# Altium PCB BRD111107.PcbDoc
Units mil, origin at the board's own origin, x right, y up, seen from the top; angles counter-clockwise.
Board outline 2700 x 2100 mil, 2 copper layers (Top Layer, Bottom Layer), stack 65.792 mil thick; 36 components, 42 nets, 156 pads, 21 vias.
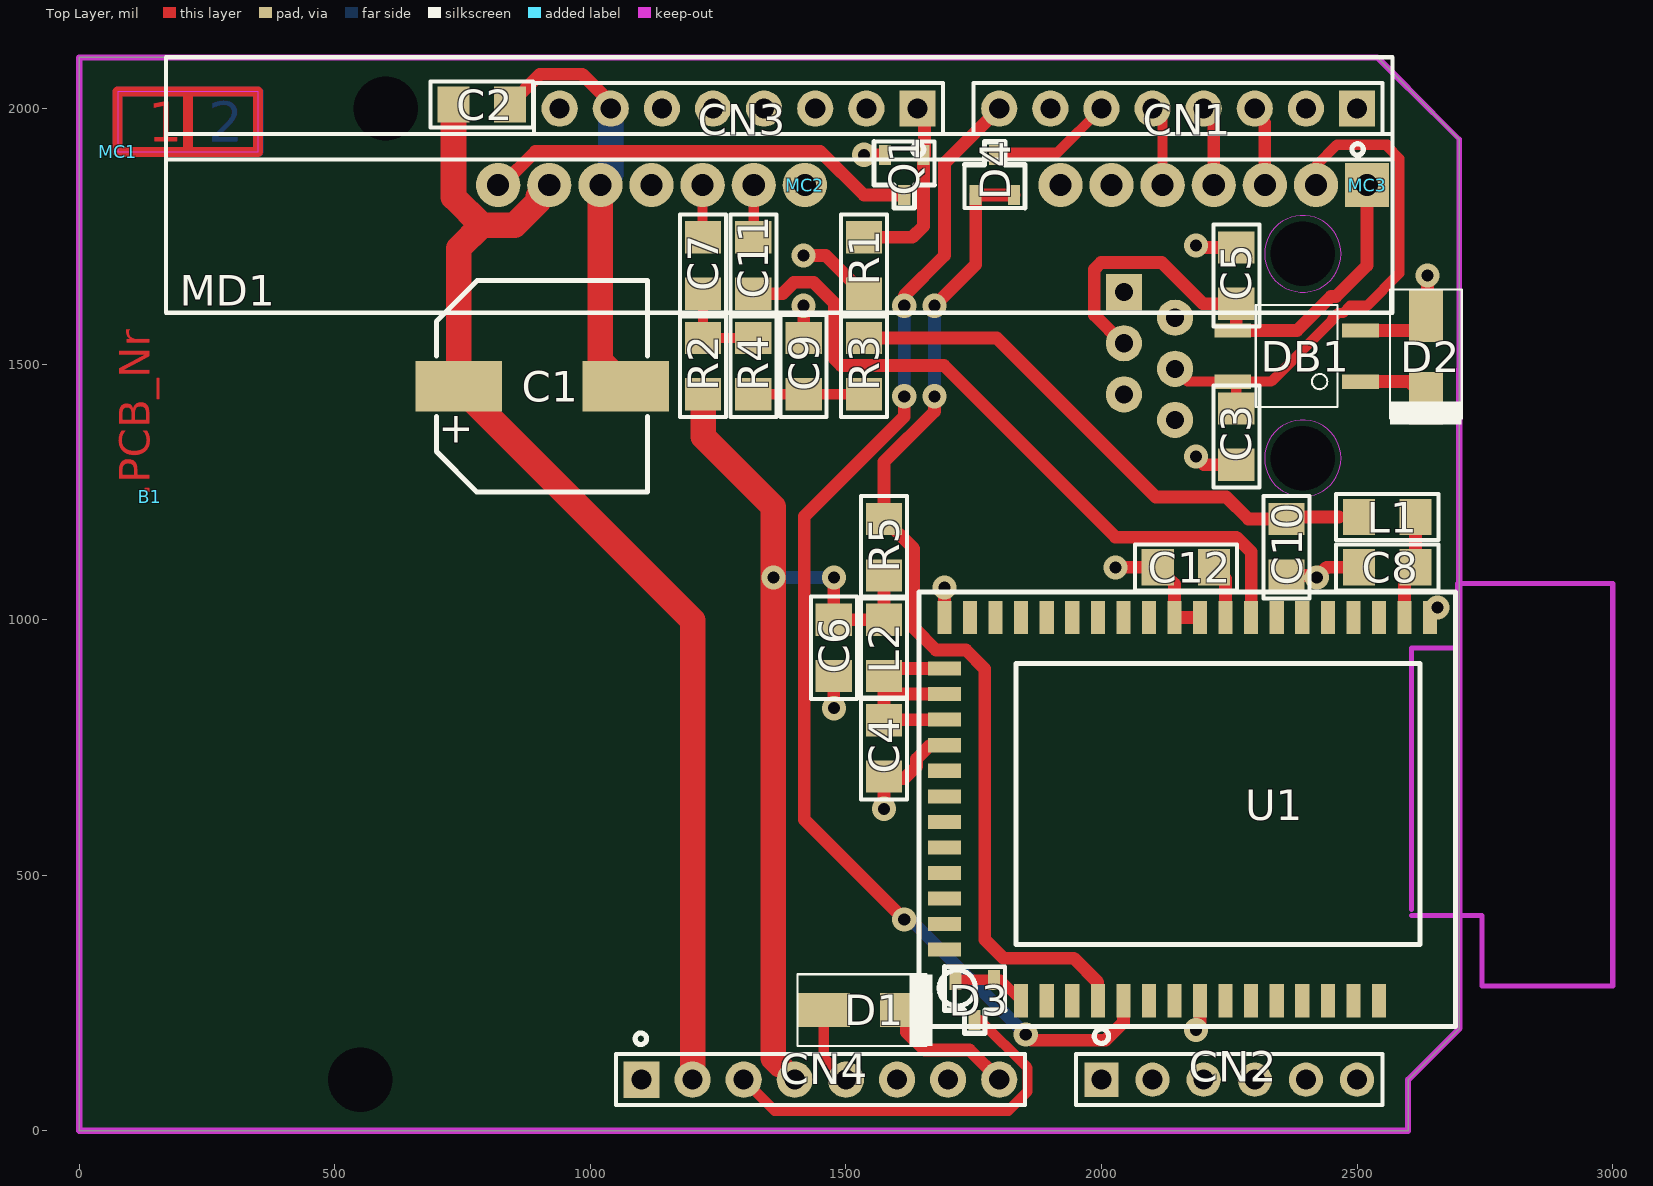
[diagram p0: Top Layer view]
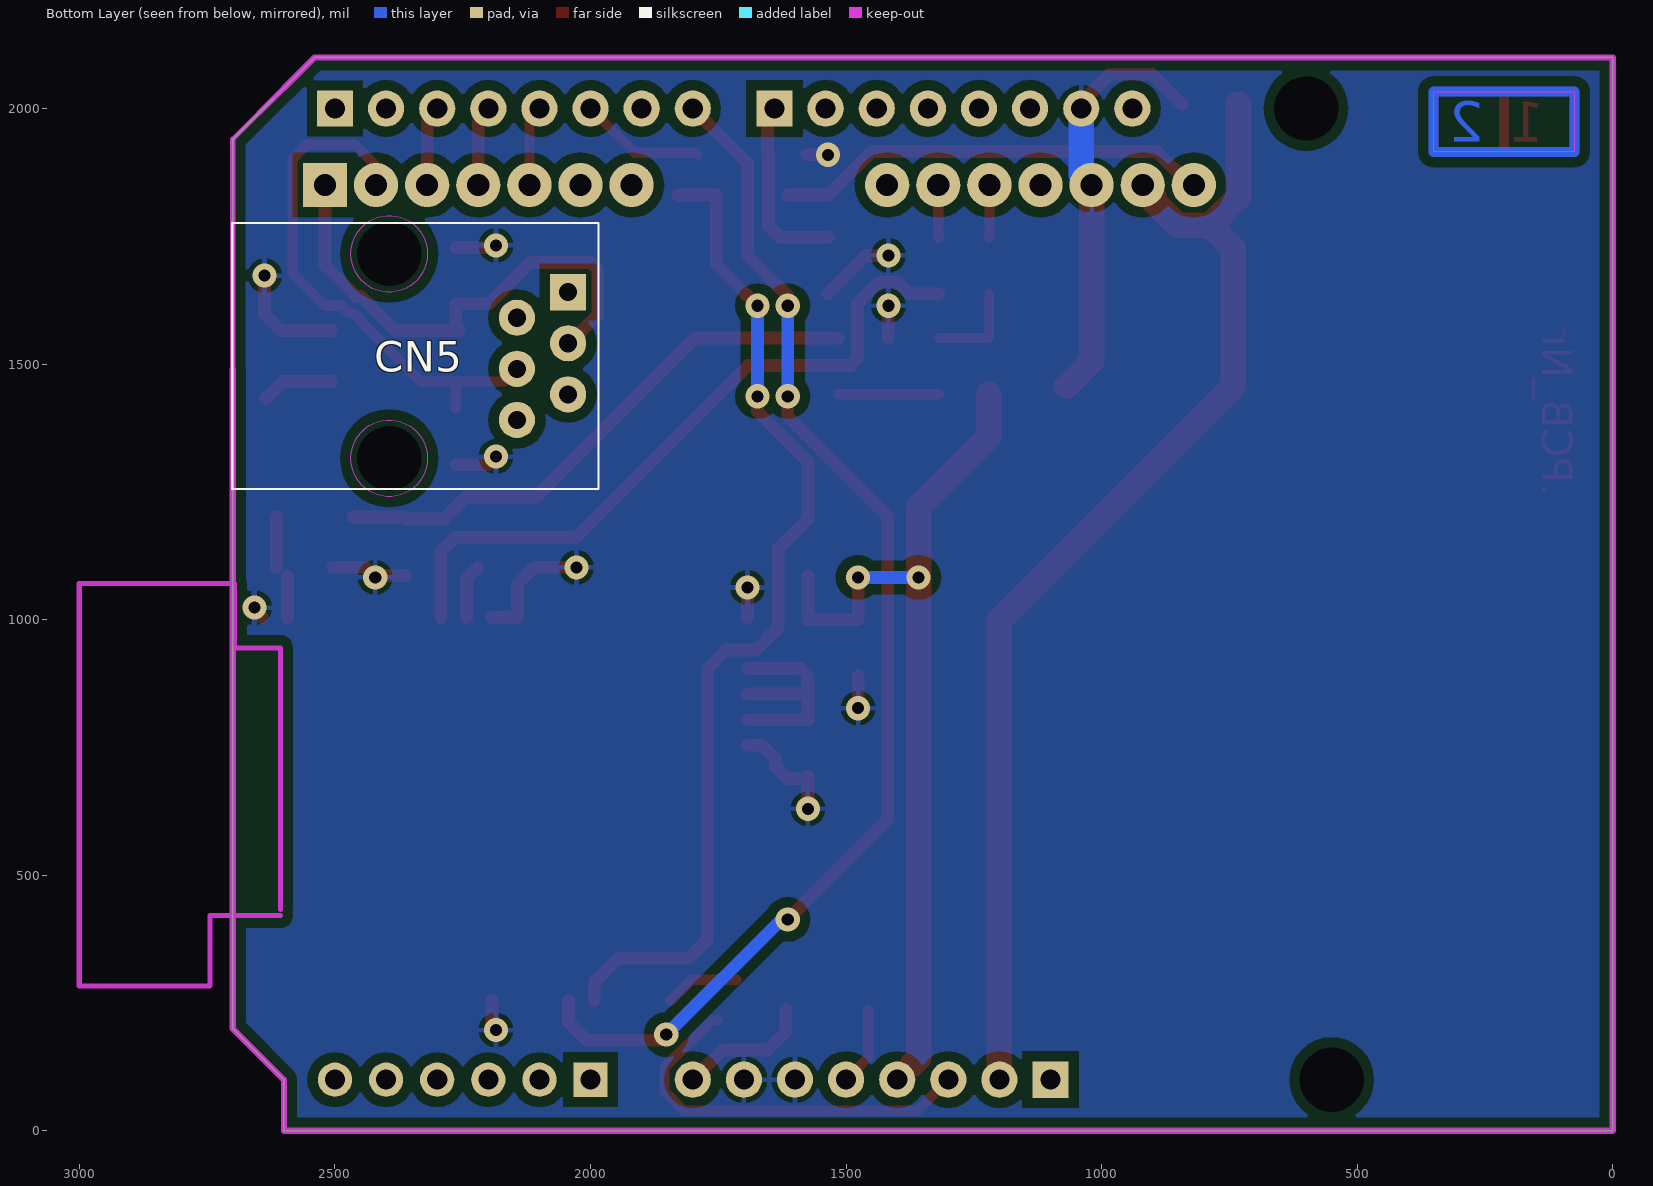
[diagram p1: Bottom Layer view, seen from below]

## Layer stack, top to bottom
Top Layer: signal copper 1.4
Dielectric: core 62.9921, FR-4, Dk 4.8
Bottom Layer: signal copper 1.4

## Board outline
0,2100 2540,2100 2700,1940 2700,200 2600,100 2600,0 0,0 0,2100

## Design rules (kind name [scope] priority, off if disabled: settings)
Clearance Clearance_1 [(InNamedPolygon('Bottom Layer-GND'))] p1: gap=20
Clearance [All] p2: gap=10
HoleSize [All] p1: absolutevalues=TRUE maxlimit=125.98 minlimit=23.62 maxpercent=80.000 minpercent=20.000
MinimumAnnularRing [All] p1: minimumring=10
PolygonConnect [All] p1: connectstyle=Relief reliefconductorwidth=10 reliefentries=4 polygonreliefangle="90 Angle" airgapwidth=10
RoutingVias [All] p1: holewidth=23.62 width=47.24 viastyle="Through Hole" minholewidth=23.62 minwidth=47.24 maxholewidth=23.62 maxwidth=47.24
SilkToSolderMaskClearance SilkscreenOverComponentPads [IsPad] p1: minsilkscreentomaskgap=10 clearancetoexposedcopper=TRUE
SolderMaskExpansion [All] p1: expansion=0
Width [All] p1: maxlimit=100 minlimit=20 preferedwidth=20
26 further rules are at their usual default settings.

## Components (designator, comment, footprint, x,y, rotation, side; value= is the part's Value field where it differs from the comment)
B1 "BRD111107/3" MC_BoardNr 137.8,1240.16 r90 top
C1 "YCAER470U" CA_CANSMD103_H100 905.51,1456.69 r180 top
C2 "YCAM100N" CA_1206 787.4,2007.87 r0 top
C3 "YCAM1N-4" CA_1206 2263.78,1358.27 r270 top
C4 "YCAM100N" CA_1206 1574.8,748.03 r90 top
C5 "YCAM1N-4" CA_1206 2263.78,1673.23 r270 top
C6 "YCAM10U" CA_1206 1476.38,944.88 r90 top
C7 "YCAM100N" CA_1206 1220.47,1692.91 r270 top
C8 "YCAM15P" CA_1206 2559.06,1102.36 r0 top
C9 "2N2 / 10%" CA_1206 1417.32,1496.06 r270 top
C10 "2N2 / 10%" CA_1206 2362.2,1141.73 r90 top
C11 "YCAM10N" CA_1206 1318.9,1692.91 r90 top
C12 "YCAM10N" CA_1206 2165.35,1102.36 r180 top
CN1 "ESQ-108-14-G-S" CN_SAMTEC_ESQ-108-14-G-S 2500,2000 r180 top
CN2 "ESQ-106-14-G-S" CN_SAMTEC_ESQ-106-14-G-S 2000,100 r0 top
CN3 "ESQ-108-14-G-S" CN_SAMTEC_ESQ-108-14-G-S 1640,2000 r180 top
CN4 "ESQ-108-14-G-S" CN_SAMTEC_ESQ-108-14-G-S 1100,100 r0 top
CN5 "CNRJ11F1-1" CN_MODJACK_6P 2342.52,1515.75 r270 bottom
D1 "ES1D" DI_DO-214AC 1456.69,236.22 r0 top
D2 "SMAJ70A-TR" DI_DO-214AC 2634.88,1594.49 r270 top
D3 "YDIOBAT54-1" SC_SOT23 1751.97,255.91 r270 top
D4 "YDIOBAT54-1" SC_SOT23 1791.34,1870.08 r90 top
DB1 "MBS4" SC_SO4 2381.89,1515.75 r90 top
L1 "600E/0.35A" CL_1206 2559.06,1200.79 r0 top
L2 "600E/0.35A" CL_1206 1574.8,944.88 r90 top
MC1 "MC_2LAYER_INDICATOR" MC_2LAYER_INDICATOR 75,1915 r0 top
MC2 "BL5.36Z 7P" CN_TOP_ENTRY_SOCKET_7P_NOHOLES 1419.69,1850.39 r180 top
MC3 "BL5.36Z 7P" CN_TOP_ENTRY_SOCKET_7P_NOHOLES 2519.69,1850.39 r180 top
MD1 "AG1171" MD_AG1171 2519.69,1850.39 r180 top
Q1 "2N7002" SC_SOT23 1614.17,1870.08 r270 top
R1 "YRES10K" RE_1206 1535.43,1692.91 r90 top
R2 "YRES10K" RE_1206 1220.47,1496.06 r270 top
R3 "YRES4K7" RE_1206 1535.43,1496.06 r270 top
R4 "YRES4K7" RE_1206 1318.9,1496.06 r90 top
R5 "YRES4K7" RE_1206 1574.8,1141.73 r270 top
U1 "BTM511" SC_BTM511_BOTTOM_UP 1692.91,354.33 r0 top

## Footprints (in the part's own frame and the unit in brackets; to place one, negate y for a bottom-side part, rotate by r counter-clockwise, add the part's x,y. Pads: shape width x height; smd on the part's side, far side on the other; paste and mask are expansions set on the pad)
CA_1206 [mm] "Chip Capacitor; Body 3.2 x 1.6 mm (LxW typ)"
  rect 1.6x1.8 smd: 1(-1.4,0) 2(1.4,0)
  silkscreen extent -2.54,-1.14 2.54,1.14, body extent -1.6,-0.8 1.6,0.8, height 1
CA_CANSMD103_H100 [mm] "SMD elco 10x10mm"
  rect 4.3x2.5 smd: 1(4.15,0) 2(-4.15,0)
  silkscreen extent -5.25,-5.25 5.25,5.25, body extent -5.8,-5.15 5.8,5.15, height 10.2
CL_1206 [mm] "Chip ferrite bead; Body 3.2 x 1.6 mm (LxW typ)"
  rect 1.6x1.8 smd: 1(-1.4,0) 2(1.4,0)
  silkscreen extent -2.54,-1.14 2.54,1.14, body extent -1.6,-0.8 1.6,0.8, height 1.02
CN_MODJACK_6P [mm] "Modular Jack 6C/6P"
  round 0 hole 3.2 unplated mask+1.63: 0(-5.08,-1.308) 0(5.08,-1.308)
  rect 1.8x1.8 hole 0.9: 1(-3.175,7.582)
  round 1.8 hole 0.9: 2(-1.905,5.042) 3(-0.635,7.582) 4(0.635,5.042) 5(1.905,7.582) 6(3.175,5.042)
  Multi-Layer keep-out circle w0.025: c5.08,-1.308 r1.905
  Multi-Layer keep-out circle w0.025: c-5.08,-1.308 r1.905
  silkscreen extent -6.6,-9.11 6.6,9.11, body extent -6.6,-9.19 6.61,8.91, height 11.5
CN_SAMTEC_ESQ-106-14-G-S [mm] "ESQ-106-14-G-S"
  rect 1.7x1.7 hole 1: 1(0,0)
  round 1.7 hole 1: 2(2.54,0) 3(5.08,0) 4(7.62,0) 5(10.16,0) 6(12.7,0)
  silkscreen extent -1.27,-1.27 13.97,2.52, body extent -1.52,-1.27 14.22,1.27, height 11.06
CN_SAMTEC_ESQ-108-14-G-S [mm] "ESQ-108-14-G-S"
  rect 1.8x1.8 hole 1: 1(0,0)
  round 1.8 hole 1: 2(2.54,0) 3(5.08,0) 4(7.62,0) 5(10.16,0) 6(12.7,0) 7(15.24,0) 8(17.78,0)
  silkscreen extent -1.27,-1.27 19.05,2.32, body extent -1.52,-1.27 19.3,1.27, height 11.05
CN_TOP_ENTRY_SOCKET_7P_NOHOLES [mil]
  body extent -50,-50 650,50, height 276
DI_DO-214AC [mm] "SMA"
  rect 2.6x1.7 smd: 1(0,0) 2(4.1,0)
  silkscreen extent -1.3,-1.78 5.41,1.78, body extent -0.7,-1.3 4.5,1.3, height 2.4
MC_2LAYER_INDICATOR [mil] "2 layer indicator"
  Top Layer lines w20: 137.8,0 137.8,118.11 ; 0,0 275,0 275,118.11 0,118.11 0,0
  Bottom Layer lines w20: 275,0 0,0 ; 275,118.11 0,118.11 ; 275.59,0 275.59,118.11 ; 0,0 0,118.11 ; 0,0 0,118.11
  Keep-Out Layer region: 0,0 275,0 275,118.11 0,118.11
MC_BoardNr [mil] "Board number"
MD_AG1171 [mm]
  rect 2.2x2.2 hole 1.1: 1(0,0)
  round 2.2 hole 1.1: 2(2.54,0) 3(5.08,0) 4(7.62,0) 5(10.16,0) 6(12.7,0) 7(15.24,0) 8(27.94,0) 9(30.48,0) 10(33.02,0) 11(35.56,0) 12(38.1,0) 13(40.64,0) 14(43.18,0)
  silkscreen extent -1.27,-6.35 59.69,6.35, body extent -1.27,-10.04 59.69,12.88, height 19
RE_1206 [mm] "Chip Resistor; Body 3.2 x 1.6 mm (LxW typ)"
  rect 1.6x1.8 smd: 1(-1.4,0) 2(1.4,0)
  silkscreen extent -2.54,-1.14 2.54,1.14, body extent -1.6,-0.8 1.6,0.8, height 1
SC_BTM511_BOTTOM_UP [mm] "For easy soldering, stick module bottom side up to PCB and use wires to connect the pins to the pads."
  rect 1.65x0.7 smd: 1(0,0) 2(0,1.27) 3(0,2.54) 4(0,3.81) 5(0,5.08) 6(0,6.35) 7(0,7.62) 8(0,8.89) 9(0,10.16) 10(0,11.43) 11(0,12.7) 12(0,13.97)
  rect 0.7x1.65 smd: 13(0,16.51) 14(1.27,16.51) 15(2.54,16.51) 16(3.81,16.51) 17(5.08,16.51) 18(6.35,16.51) 19(7.62,16.51) 20(8.89,16.51) 21(10.16,16.51) 22(11.43,16.51) 23(12.7,16.51) 24(13.97,16.51) 25(15.24,16.51) 26(16.51,16.51) 27(17.78,16.51) 28(19.05,16.51) 29(20.32,16.51) 30(21.59,16.51) 31(22.86,16.51) 32(24.13,16.51) 40(21.59,-2.54) 41(20.32,-2.54) 42(19.05,-2.54) 43(17.78,-2.54) 44(16.51,-2.54) 45(15.24,-2.54) 46(13.97,-2.54) 47(12.7,-2.54) 48(11.43,-2.54) 49(10.16,-2.54) 50(8.89,-2.54) 51(7.62,-2.54) 52(6.35,-2.54) 53(5.08,-2.54) 54(3.81,-2.54)
  Top Layer keep-out region: 3.556,0.254 23.622,0.254 23.622,14.224 3.556,14.224
  Keep-Out Layer lines w0.254: 23.21,1.7 26.71,1.7 26.71,-1.8 30.71,-1.8 33.21,-1.8 33.21,18.2 25.5,18.2 25.5,15 23.21,15 23.21,1.99
  silkscreen extent -1.27,-3.81 25.4,17.78, body extent 3.56,0.2 23.56,14.2, height 3.4
SC_SO4 [mil] "SO4"
  rect 28x72 smd: 1(-50,-125) 2(50,-125) 3(50,125) 4(-50,125)
  silkscreen extent -100,-80 100,80, body extent -79,-135 79,135, height 81
SC_SOT23 [mm] "SOT23, 3-Leads, Body 2.9x1.3mm, Pitch 0.95mm, Lead Span 2.3mm, IPC High Density"
  rect 1x0.6 smd: 1(-1,0.95) 2(-1,-0.95) 3(1,0)
  silkscreen extent -1.65,-1.5 1.65,1.5, body extent -1.27,-1.46 1.27,1.46, height 0.99

## Part data
B1: library part BARE_PCB
C9 C10: library part MCCA001357
CN1 CN2 CN3 CN4: "*"
D1: "1 Amp General Purpose Rectifier"
D3 D4: "Dual Schottky Barrier Diode Common Cathode"
L1 L2: library part 2512066017Y0, "Ferrite Bead"
MC2 MC3: library part "BL5.36Z 7P MECH"
R1 R2 R3 R4 R5: "Resistor"

## Free pads (board coordinates)
  round 0 hole 125.98 unplated mask+62.99: 0(550,100) 0(600,2000)

## Via types
v1: diameter 47.24, hole 23.62, Top Layer to Bottom Layer, 21 vias

## Nets (pads, with @x,y where several pads share a name; then routed paths per layer and width w, separated by ;. In a path a pad name is that pad's centre, name@x,y a point inside that pad or via, vN(x,y) a via of type N, cw(c..) or ccw(c..) an arc to the next point about the centre after c; other vN are vias at no path point)
+3V3: C6.2 CN4.4 L2.2 R2.2 R5.2 | length 1759.4
  Top Layer w25: v1(1476.38,1082.68) C6.2 L2.2 R5.2
  Top Layer w50: R2.2 1220.47,1358.27 1358.27,1220.48 v1(1358.27,1082.67) 1358.27,141.73 1370.51,129.49
  Bottom Layer w25: v1(1358.27,1082.67) v1(1476.38,1082.68)
AIN0: CN2.1
AIN1: CN2.2
AIN2: CN2.3
AIN3: CN2.4
AIN4: CN2.5
AIN5: CN2.6
BT_DIN: D4.1 D4.2 R5.1 U1.51 | length 2013.5
  Top Layer w25: v1(1673.23,1437) 1673.23,1407.19 1574.8,1308.77 R5.1 1632.74,1138.92 1632.74,984.25 1676.38,940.61 1734.71,940.61 1771.65,903.67 1771.65,374.02 1808.2,337.46 1946,337.46 1992.91,290.55 U1.51 ; v1(1673.23,1614.17) 1753.94,1694.88 D4.1 D4.2
  Bottom Layer w25: v1(1673.23,1437) v1(1673.23,1614.17)
BT_DOUT: CN1.8 U1.50 | length 2409
  Top Layer w25: v1(1614.17,1614.17) 1614.17,1633.86 1692.91,1712.6 1692.91,1892.91 CN1.8 ; v1(1614.17,413.39) 1418.44,609.11 1418.44,1201.91 1614.17,1397.64 v1(1614.17,1437) ; v1(1851.86,188.23) 1862.92,177.17 2007.87,177.17 2042.91,212.2 U1.50
  Bottom Layer w25: v1(1614.17,1437) v1(1614.17,1614.17) ; v1(1614.17,413.39) 1626.7,413.39 v1(1851.86,188.23)
GND: C1.2 C2.2 C3.2 C4.1 C5.1 C6.1 C8.1 C9.1 C10.1 C12.2 CN3.7 CN4.6 CN4.7 D2.1 DB1.2 MD1.12 Q1.2 R1.1 U1.9 U1.13 U1.22 U1.23 U1.32 U1.47 | length 2289.1
  Top Layer w25: C2.2 901.57,2066.93 984.25,2066.93 1040,2011.18 CN3.7 ; v1(1417.32,1712.6) 1460.63,1712.6 R1.1 ; C9.1 v1(1417.32,1614.17) ; v1(1476.38,826.77) C6.1 ; v1(1535.43,1909.45) Q1.2 ; v1(1574.8,629.92) C4.1 1578.74,688.98 1614.17,688.98 1637.93,712.74 1637.93,727.43 1664.83,754.33 U1.9 ; U1.13 v1(1692.91,1062.99) ; v1(2027.56,1102.36) C12.2 2142.91,1069.69 U1.22 U1.23 ; v1(2185.04,196.85) 2192.91,204.72 U1.47 ; v1(2185.04,1318.9) 2200.79,1303.15 C3.2 ; v1(2185.04,1732.28) 2188.98,1728.35 C5.1 ; C10.1 2417.32,1086.61 v1(2421.26,1082.68) 2440.94,1102.36 C8.1 ; DB1.2 2606.14,1565.75 D2.1 2637.8,1597.4 v1(2637.8,1673.23) ; U1.32 2657.48,1018.9 v1(2657.48,1023.62)
  Top Layer w50: MD1.12 1019.69,1505.91 C1.2
  Bottom Layer w50: MD1.12 1040,1870.71 CN3.7
IOREF: C1.1 C2.1 CN4.2 MD1.13 | length 2310.3
  Top Layer w50: C2.1 732.28,1826.77 787.4,1771.65 ; MD1.13 897.99,1828.7 897.99,1817.96 852.12,1772.09 787.83,1772.09 787.4,1771.65 ; CN4.2 1200,998.82 C1.1 742.13,1726.38 787.4,1771.65
NetC3_1: C3.1 CN5.4 DB1.4 MD1.2 | length 1049.9
  Top Layer w20: CN5.4 2169.02,1465.75 DB1.4 ; C3.1 2263.78,1458.86 DB1.4 ; MD1.2 2419.69,1888.19 2460.63,1929.13 2559.06,1929.13 2559.06,1925.92 2582.99,1901.98 2582.99,1677.48 2519.69,1614.17 2486.91,1614.17 2472.48,1599.75 2462.61,1599.75 2450.89,1588.03 2450.89,1584.75 2331.89,1465.75 DB1.4
NetC4_2: C4.2 L2.1 U1.10 U1.11 U1.12 | length 452.4
  Top Layer w25: U1.10 1575.98,804.33 C4.2 L2.1@1574.8,866.14 ; U1.11 1586.61,854.33 L2.1@1574.8,866.14 ; U1.12 1589.37,904.33 L2.1 L2.1@1574.8,866.14
NetC5_2: C5.2 CN5.3 DB1.3 MD1.1 | length 1015
  Top Layer w25: CN5.3 2041.33,1540.75 1986.09,1596 1986.09,1685.5 1999.27,1698.68 2118.02,1698.68 2198.59,1618.11 C5.2 2263.78,1572.64 DB1.3 2382.64,1565.75 2449.14,1632.25 2459.02,1632.25 2519.69,1692.91 MD1.1
NetC7_1: C7.1 MD1.10 | length 102.7
  Top Layer w20: MD1.10 1219.69,1748.82 C7.1
NetC7_2: C7.2 R2.1 R4.2 | length 185
  Top Layer w20: C7.2 R2.1 R4.2
NetC8_2: C8.2 L1.2 U1.31 | length 178.3
  Top Layer w25: U1.31 C8.2@2592.91,1084.25 ; C8.2 L1.2
NetC9_2: C9.2 R3.2 R4.1 | length 196.9
  Top Layer w20: R4.1 C9.2 R3.2@1515.75,1440.94
NetC10_2: C10.2 L1.1 R3.1 | length 1097.2
  Top Layer w25: R3.1@1515.75,1551.18 1795.28,1551.18 2106.3,1240.16 2244.09,1240.16 2287.4,1196.85 C10.2 2366.14,1200.79 2464.57,1200.79
NetC11_1: C11.1 U1.25 | length 1393.8
  Top Layer w25: C11.1 1375.72,1637.8 1398.22,1660.3 1436.43,1660.3 1477.5,1619.22 1477.5,1510.37 1490.68,1497.19 1691.79,1497.19 2027.56,1161.42 2263.78,1161.42 2292.91,1132.28 U1.25
NetC11_2: C11.2 MD1.9 | length 102.7
  Top Layer w20: C11.2 1319.69,1748.82 MD1.9
NetC12_1: C12.1 U1.24 | length 107.3
  Top Layer w25: C12.1 2242.91,1079.92 U1.24
NetCN1_1: CN1.1
NetCN1_2: CN1.2
NetCN1_3: CN1.3 MD1.3 | length 157.8
  Top Layer w25: CN1.3 2300,1991.34 2319.69,1971.65 MD1.3
NetCN1_4: CN1.4 MD1.4 | length 157.8
  Top Layer w25: CN1.4 2200,1992.91 2219.69,1973.23 MD1.4
NetCN1_5: CN1.5 MD1.5 | length 157.8
  Top Layer w20: CN1.5 2119.69,1980.32 MD1.5
NetCN1_6: CN1.6 D4.3 | length 246.2
  Top Layer w20: D4.3 1795.59,1913.7 1913.7,1913.7 CN1.6
NetCN1_7: CN1.7
NetCN3_1: CN3.1 Q1.1 R1.2 | length 361
  Top Layer w25: R1.2 1629.92,1748.03 1651.57,1769.69 Q1.1 ; CN3.1 1653.54,1986.46 Q1.1@1653.54,1909.45
NetCN3_2: CN3.2
NetCN3_3: CN3.3
NetCN3_4: CN3.4
NetCN3_5: CN3.5
NetCN3_6: CN3.6
NetCN3_8: CN3.8
NetCN4_3: CN4.3 D3.3 | length 784.3
  Top Layer w20: CN4.3 1360.63,39.37 1817.76,39.37 1855.43,77.04 1855.43,122.96 1761.86,216.54 D3.3
NetCN4_5: CN4.5 D1.1 | length 154.2
  Top Layer w20: D1.1 1456.69,143.31 CN4.5
NetCN4_8: CN4.8 D1.2 | length 263.4
  Top Layer w25: D1.2 1618.11,193.37 1653.54,157.93 1742.07,157.93 CN4.8
NetD2_2: D2.2 DB1.1 | length 141.5
  Top Layer w25: DB1.1 2602.2,1465.75 D2.2
NetMD1_14: MD1.14 Q1.3 | length 857.2
  Top Layer w25: MD1.14 826.62,1850.39 892.43,1916.2 1449.94,1916.2 1535.43,1830.71 Q1.3
RST: D3.1 D3.2 U1.54 | length 145.3
  Top Layer w20: D3.2 D3.1 1801.97,295.28 U1.54
pads on no net: CN4.1 CN5.0 CN5.1 CN5.2 CN5.5 CN5.6 MD1.6 MD1.7 MD1.8 MD1.11 U1.1 U1.2 U1.3 U1.4 U1.5 U1.6 U1.7 U1.8 U1.14 U1.15 U1.16 U1.17 U1.18 U1.19 U1.20 U1.21 U1.26 U1.27 U1.28 U1.29 U1.30 U1.40 U1.41 U1.42 U1.43 U1.44 U1.45 U1.46 U1.48 U1.49 U1.52 U1.53
copper on no net: | length 377
  Bottom Layer w20: 565,100 ccw(c550,100) 565,100 ; 615,2000 ccw(c600,2000) 615,2000 ; 2409.02,1315.75 ccw(c2394.02,1315.75) 2409.02,1315.75 ; 2409.02,1715.75 ccw(c2394.02,1715.75) 2409.02,1715.75

## Polygon pours and split planes (outlines as drawn)
GND on Bottom Layer "Bottom Layer-GND" (solid, remove dead copper, pour order 2): 0,0 0,2100 2540,2100 2700,1940 2700,200 2600,100 2600,0

## Keep-outs
Keep-Out Layer:
  lines w10: 2600,2040 2700,1940 2700,1490
  lines w12: 2600,2040 2540,2100 0,2100 0,0 2600,0 2600,100 2700,200 2700,1490

## Silkscreen, mask and mechanical layers (free items; w line width, h text height)
Mechanical 4:
  drawing of 4359 lines, arcs and shapes, not listed
  text "A" at 4656.5,3700.5 h70 r90
  text "D" at -993.5,3650.5 h70 r270
  text "C" at 881.5,3650.5 h70 r270
  text "B" at 2681.5,3650.5 h70 r270
  text "2" at -1843.5,2325.5 h70 r90
  text "2" at 5556.5,2325.5 h70 r90
  text "1" at -1843.5,-524.5 h70 r90
  text "1" at 5556.5,-524.5 h70 r90
  text "ENGINEER:" at 971.5,-667.5 h45
  text "TITLE:" at 2471.5,-667.5 h45
  text ".ProjectName" at 2756.5,-927.5 h98.43
  text "PCB DESIGNER:" at 971.5,-962.5 h45
  text ".DrawnByX" at 1531.5,-1082.5 h98.43
  text "DATE:" at 971.5,-1267.5 h45
  text "PART NO.:" at 2471.5,-1267.5 h45
  text "REV:" at 4571.5,-1267.5 h45
  text ".PRINT_DATE" at 1021.5,-1387.5 h70
  text ".RevisionNR" at 4609.5,-1442.5 h98.43
  text "FILE NAME:" at 971.5,-1567.5 h45
  text "DWG NO:" at 2471.5,-1567.5 h45
  text "SCALE:" at 4571.5,-1567.5 h45
  text ".PCB_FILE_NAME_NO_PATH" at 1021.5,-1687.5 h70
  text ".PCB_Nr" at 2781.5,-1699.5 h98.43
  text "D" at -1111.5,-1893.5 h70 r270
  text "C" at 778.5,-1893.5 h70 r270
  text "B" at 2688.5,-1893.5 h70 r270
  text "A" at 4656.5,-1899.5 h70 r90
Mechanical 5:
  drawing of 4359 lines, arcs and shapes, not listed
  text "A" at -1013.5,3700.5 h70 r270
  text "B" at 961.5,3650.5 h70 r90
  text "C" at 2761.5,3650.5 h70 r90
  text "D" at 4636.5,3650.5 h70 r90
  text "2" at -1913.5,2325.5 h70 r270
  text "2" at 5486.5,2325.5 h70 r270
  text "1" at -1913.5,-524.5 h70 r270
  text "1" at 5486.5,-524.5 h70 r270
  text "TITLE:" at 1171.5,-667.5 h45
  text "ENGINEER:" at 2671.5,-667.5 h45
  text ".ProjectName" at 886.5,-927.5 h98.43
  text "PCB DESIGNER:" at 2671.5,-962.5 h45
  text ".DrawnByX" at 2131.5,-1074.5 h98.43
  text "REV:" at -928.5,-1267.5 h45
  text "PART NO.:" at 1171.5,-1267.5 h45
  text "DATE:" at 2671.5,-1267.5 h45
  text ".PRINT_DATE" at 2621.5,-1387.5 h70
  text ".RevisionNR" at -966.5,-1442.5 h98.43
  text "SCALE:" at -928.5,-1567.5 h45
  text "DWG NO:" at 1171.5,-1567.5 h45
  text "FILE NAME:" at 2671.5,-1567.5 h45
  text ".PCB_FILE_NAME_NO_PATH" at 2621.5,-1687.5 h70
  text ".PCB_Nr" at 861.5,-1699.5 h98.43
  text "B" at 954.5,-1893.5 h70 r90
  text "C" at 2864.5,-1893.5 h70 r90
  text "D" at 4754.5,-1893.5 h70 r90
  text "A" at -1013.5,-1899.5 h70 r270
PcbOutline:
  lines w10: 0,0 0,2100 2540,2100 2600,2040 2700,1940 2700,1490 2700,200 2600,100 2600,0 0,0
Drill Drawing:
  lines w10: -1771.65,-393.7 -1771.65,-492.13 -1673.23,-492.13 ; -1771.65,3444.88 -1771.65,3543.31 -1673.23,3543.31 ; 5314.96,-492.13 5413.39,-492.13 5413.39,-393.7 ; 5314.96,3543.31 5413.39,3543.31 5413.39,3444.88
  text ".Legend" at 0,2460.63 h60

## Dimensions
0,0 to 0,2100 on Measures
0,2100 to 2700,1940 on Measures

## Text inside footprints (layer, text, board x,y; h text height)
C1: Top Overlay "+" at 771.65,1397.64 h60 r180
MC1: Top Layer "1" at 134.06,1934.69 h78.74; Bottom Layer "2" at 252.17,1934.69 h78.74